# Altium PCB PCB1.PcbDoc (part 1 of 2) (continued)
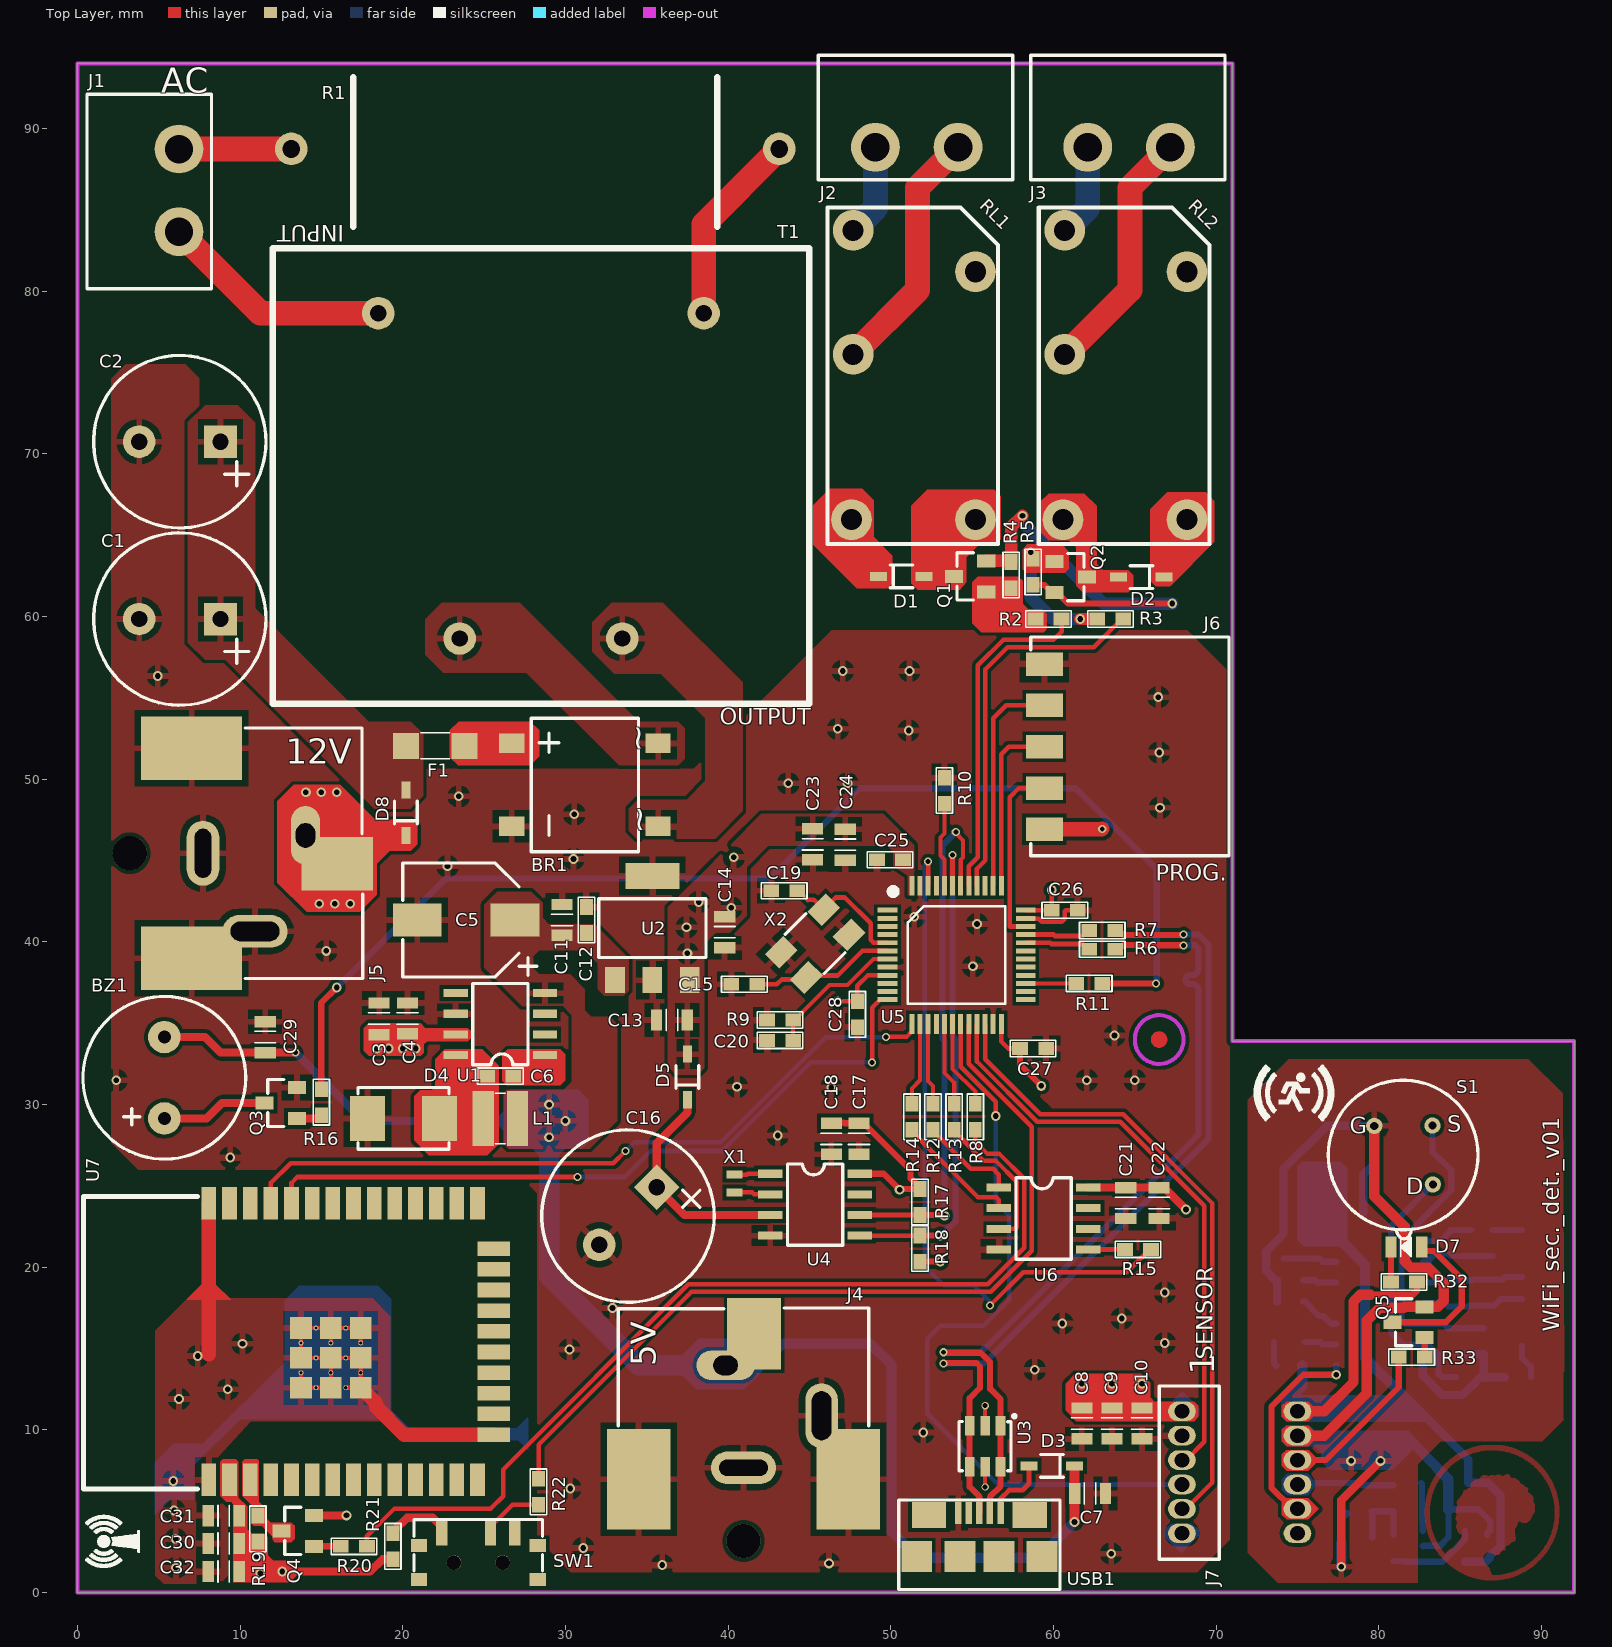
[diagram p0: Top Layer view]
## Components (designator, comment, footprint, x,y, rotation, side; value= is the part's Value field where it differs from the comment)
BR1 "DB105STR" DB105STR 31.2,49.65 r90 top
BZ1 "CMI-96051C-0580T" CMI-9605IC-0580T 5.35,31.65 r180 top
C1 "ESH477M050AH4AA" ESH477M050AH4AA 6.3,59.85 r180 top
C2 "ESH477M050AH4AA" ESH477M050AH4AA 6.3,70.75 r180 top
C3 "CL21B105KBFNNNE" CAP_0805#1 18.55,35.3 r270 top
C4 "CL21B104KBCNNNC" CAP_0805#2 20.3,35.3 r270 top
C5 "EEV686M035A9HAA" CAP_EEVSERIES 23.9,41.35 r180 top
C6 "0603B103K160CT" CAP_0603 26,31.75 r180 top
C7 "CL21A475KAQNNNE" CAP_0805#2 62.25,6.1 r180 top
C8 "CL21A475KAQNNNE" CAP_0805#2 61.75,10.4 r90 top
C9 "CL21A475KAQNNNE" CAP_0805#2 63.6,10.4 r90 top
C10 "CL21B105KBFNNNE" CAP_0805#2 65.45,10.4 r90 top
C11 "CL21B105KBFNNNE" CAP_0805#2 29.8,41.35 r270 top
C12 "C0603C104K4RACTU" CAP_0603 31.3,41.35 r270 top
C13 "CL21A475KAQNNNE" CAP_0805#2 36.55,35.2 r0 top
C14 "CL21B105KBFNNNE" CAP_0805#2 39.8,40.6 r90 top
C15 "CL10C200JB8NNNC" CAP_0603 41,37.4 r180 top
C16 "ESH477M050AH4AA" ESH477M050AH4AA 33.85,23.15 r225 top
C17 "CL21B104KBCNNNC" CAP_0805#2 48.05,27.9 r90 top
C18 "CL21B105KBFNNNE" CAP_0805#2 46.35,27.9 r90 top
C19 "CL10C200JB8NNNC" CAP_0603 43.45,43.15 r180 top
C20 "C0603C104K4RACTU" CAP_0603 43.2,33.95 r180 top
C21 "CL21B105KBFNNNE" CAP_0805#2 64.45,23.95 r90 top
C22 "CL21B104KBCNNNC" CAP_0805#2 66.5,23.95 r90 top
C23 "CL21A475KAQNNNE" CAP_0805#2 45.2,46 r90 top
C24 "CL21B105KBFNNNE" CAP_0805#2 47.2,45.975 r90 top
C25 "C0603C104K4RACTU" CAP_0603 49.95,45.05 r0 top
C26 "C0603C104K4RACTU" CAP_0603 60.7,41.95 r180 top
C27 "C0603C104K4RACTU" CAP_0603 58.75,33.45 r180 top
C28 "C0603C104K4RACTU" CAP_0603 47.95,35.55 r90 top
C29 "CL21B104KBCNNNC" CAP_0805#2 11.55,34.15 r270 top
C30 "CL21A475KAQNNNE" CAP_0805#2 9,3.025 r0 top
C31 "CL21B105KBFNNNE" CAP_0805#2 9,4.725 r0 top
C32 "CL21B104KBCNNNC" CAP_0805#2 9,1.3 r0 top
C33 "C0603C104K4RACTU" CAP_0603 78.192,23.291 r180 bottom
C34 "CL21B105KBFNNNE" CAP_0805#2 78.1,24.8 r180 bottom
C35 "0603B103K160CT" CAP_0603 84.4,21.5 r90 bottom
C36 "C3216X5R1E336M160AC" CAP_1206 88.8,20.85 r90 bottom
C37 "C0603C104K4RACTU" CAP_0603 74.15,21.35 r270 bottom
C38 "0603B103K160CT" CAP_0603 86.45,18.45 r270 bottom
C39 "CL21A475KAQNNNE" CAP_0805#2 78,10.15 r90 bottom
C40 "CL21A475KAQNNNE" CAP_0805#2 79.7,10.15 r90 bottom
C41 "CL21B105KBFNNNE" CAP_0805#2 81.4,10.15 r90 bottom
C42 "C3216X5R1E336M160AC" CAP_1206 88.8,16.6 r90 bottom
C43 "C0603C104K4RACTU" CAP_0603 85.55,13.25 r180 bottom
C44 "C0603C104K4RACTU" CAP_0603 86.45,15.45 r90 bottom
C45 "C0603C104K4RACTU" CAP_0603 86.65,2.75 r270 bottom
C46 "CL21A475KAQNNNE" CAP_0805#2 78.65,3.4 r0 bottom
C47 "CL21B105KBFNNNE" CAP_0805#2 78,5.8 r90 bottom
D1 "1N4148WS" SOD32-F 50.65,62.473 r0 top
D2 "1N4148WS" SOD32-F 65.4,62.427 r180 top
D3 "1N4148WS" SOD32-F 59.9,7.8 r180 top
D4 "1SMB5919BT3G" SMB 20.05,29.15 r0 top
D5 "1N4148WS" SOD32-F 37.5,31.7 r90 top
D6 "LTST-C171GKT" "LED_GREEN 0805" 74.5,15.4 r0 bottom
D7 "LH R974-LP-1" LED_0805 81.7,21.25 r0 top
D8 "1N4148WS" SOD32-F 20.2,47.95 r90 top
F1 "3413.0216.22" 3413.0216.22 22,52.05 r180 top
J1 "TBP01R1-508-02BE" TBP01R1-508 6.25,86.2 r270 top
J2 "TBP01R1-508-02BE" TBP01R1-508 51.6,88.85 r180 top
J3 "TBP01R1-508-02BE" TBP01R1-508 64.65,88.85 r180 top
J4 "PJ-037AH-SMT-TR" JACK 40.95,9.55 r90 top
J5 "PJ-037AH-SMT-TR" JACK 9.6,45.45 r0 top
J6 "SMH-105-02-L-S" SMH-105-02-L-S 59.45,52 r90 top
J7 "64800611622" 64800611622 67.9,7.4 r270 top
J8 "64800611622" 64800611622 75,7.4 r270 bottom
L1 "78438335470" IND_1212 26,29.15 r0 top
Q1 "MMBT3904-7-F" SOT23-F#1 54.75,62.6 r0 top
Q2 "MMBT3904-7-F" SOT23-F#1 61.2,62.3 r180 top
Q3 "MMBT3904-7-F" SOT23-F#2 12.505,30.1 r90 top
Q4 "MMBT3904-7-F" SOT23-F#2 13.55,3.8 r90 top
Q5 "MMBT3904-7-F" SOT23-F#1 81.7,16.75 r0 top
R1 "5WD27" RES_AXIAL_W 28.15,88.75 r0 top
R2 "RES 1K OHM 0603" RES_0603 59.7,59.85 r0 top
R3 "RES 1K OHM 0603" RES_0603 63.5,59.85 r0 top
R4 "RC0603FR-0710KL" RES_0603 57.4,62.55 r270 top
R5 "RC0603FR-0710KL" RES_0603 58.75,62.75 r90 top
R6 "RC0603JR-0715RL" RES_0603 63,39.55 r0 top
R7 "RC0603JR-0715RL" RES_0603 63,40.7 r0 top
R8 "RC0603JR-07100RL" RES_0603 55.2,29.25 r270 top
R9 "RC0603JR-07100RL" RES_0603 43.2,35.2 r0 top
R10 "RC0603JR-07100RL" RES_0603 53.3,49.3 r270 top
R11 "RC0603JR-07100RL" RES_0603 62.2,37.45 r0 top
R12 "RC0603JR-07100RL" RES_0603 52.6,29.25 r90 top
R13 "RC0603JR-07100RL" RES_0603 53.9,29.25 r90 top
R14 "RC0603JR-07100RL" RES_0603 51.3,29.25 r90 top
R15 "RC0603JR-07100RL" RES_0603 65.2,21.1 r0 top
R16 "RC0603JR-07100RL" RES_0603 15,30.15 r270 top
R17 "RC0603JR-074K7L" RES_0603 51.796,24.015 r90 top
R18 "RC0603JR-074K7L" RES_0603 51.8,21.15 r270 top
R19 "RES 1K OHM 0603" RES_0603 11.1,3.925 r90 top
R20 "RC0603JR-07100RL" RES_0603 17,2.85 r180 top
R21 "RC0603JR-07100RL" RES_0603 19.4,2.85 r270 top
R22 "RC0603JR-07100RL" RES_0603 28.35,6.2 r270 top
R23 "RC0603JR-07220KL" RES_0603 75.45,21.35 r90 bottom
R24 "RC0603JR-07560KL" RES_0603 85.7,21.5 r90 bottom
R25 "RC0603FR-0710KL" RES_0603 87,21.5 r270 bottom
R26 "RES 1K OHM 0603" RES_0603 74.5,13.95 r0 bottom
R27 "RC0603JR-07560KL" RES_0603 84.9,18.4 r90 bottom
R28 "RES 0 OHM 0603" RES_0603 74.55,19.2 r180 bottom
R29 "RES 0 OHM 0603" RES_0603 74.55,17.9 r180 bottom
R30 "RC0603JR-0743KL" RES_0603 84.9,15.45 r90 bottom
R31 "RC0603FR-0710KL" RES_0603 88.55,13.25 r180 bottom
R32 "RC0603JR-07100RL" RES_0603 81.55,19.1 r0 top
R33 "RES 1K OHM 0603" RES_0603 82.023,14.477 r0 top
R34 "RC0603JR-07220KL" RES_0603 80.9,5.8 r90 bottom
R35 "RES 1K OHM 0603" RES_0603 80.9,2.75 r90 bottom
R36 "RC0603JR-07220KL" RES_0603 79.55,5.8 r90 bottom
R37 "RC0603FR-0710KL" RES_0603 83.45,5.1 r180 bottom
RL1 "ALQ112" ALQ112 51.4,74.85 r90 top
RL2 "ALQ112" ALQ112 64.4,74.85 r90 top
RT1 "TFPT1206L1002FM" "TFPT 1206" 84.05,6.75 r0 bottom
S1 "LHI 878/ 3902" "LHI 878/ 3902" 81.5,26.9 r0 top
SW1 "EG1215AA" EG1215AA 24.65,1.85 r0 top
T1 "BV302S12010-ZU" BV302S12010-ZU 28.5,68.65 r0 top
U1 "LM2675MX-12/NOPB" "SOIC 8" 26,34.95 r90 top
U2 "AP7361-33E-13" SOT223 35.35,40.85 r0 top
U3 "USBLC6-2SC6" SOT23-6L 55.8,9 r270 top
U4 "M41T00M6F" "SOIC 8" 45.35,23.85 r270 top
U5 "STM32F103C6T6A" LQFP-48 54.05,39.2 r270 top
U6 "MAX6662MSA+" "SOIC 8" 59.4,23 r270 top
U7 "ESP32-WROOM-32E" ESP32-32E 13.345,15.432 r90 top
U8 "NCS36000DRG" "SOIC 14" 80.05,17.8 r180 bottom
U9 "OPA314AIDBVR" SOT23-5 84,2.85 r0 bottom
USB1 "10118192-0001LF" MICRO_B_USB 55.45,3.55 r0 top
X1 "ABS05-32.768KHZ-T" ABS05-32.768KHZ-T 40.4,25.15 r90 top
X2 "CRYSTAL 16.0000MHZ 20PF SMD" ECS-160-20-30B 45.35,39.9 r45 top

## Footprints (in the part's own frame and the unit in brackets; to place one, negate y for a bottom-side part, rotate by r counter-clockwise, add the part's x,y. Pads: shape width x height; smd on the part's side, far side on the other; paste and mask are expansions set on the pad)
3413.0216.22 [mm]
  rect 1.6x1.6 smd mask+0.05: 1(-1.8,-0.002) 2(1.8,0.002)
  silkscreen extent -0.9,-0.8 0.9,0.8, body extent -1.61,-0.8 1.61,0.8, height 0.64
64800611622 [mm]
  oval 1.2x1.7 hole 0.9 mask+0.05: 1(-3.75,0) 2(-2.25,0) 3(-0.75,0) 4(0.75,0) 5(2.25,0) 6(3.75,0)
  silkscreen extent -5.3,-1.4 5.35,2.3, body extent -5.25,-1.3 5.25,2.2, height 4.55
ABS05-32.768KHZ-T [mm]
  rect 0.5x1 smd mask+0.05: 1(-0.55,0) 2(0.55,0)
  body extent -0.8,-0.5 0.8,0.5, height 0.5
ALQ112 [mm]
  round 2.5 hole 1.3 mask+0.05: 1(6.35,-3.81) 2(1.27,3.71) 3(8.89,3.71) 4(-8.89,-3.81) 5(-8.89,3.81)
  silkscreen extent -10.4,-5.2 10.3,5.3, body extent -10,-4.98 10,5.02, height 15.6
BV302S12010-ZU [mm]
  round 2 hole 1 mask+0.05: 1(10,10) 5(-10,10) 7(-5,-10) 9(5,-10)
  silkscreen extent -16.5,-14 16.5,14, body extent -16.25,-13.75 16.25,13.75, height 21.8
CAP_0603 [mil]
  rect 38x31 smd mask+1.97: 1(-31.5,0) 2(31.5,0)
  silkscreen extent -55,-20 55,20, body extent -41,-20 41,21, height 31
CAP_0805#1 [mm]
  rect 0.7x1.3 smd mask+0.05: 1(-0.95,0) 2(1,0)
  silkscreen extent -0.35,-0.65 0.35,0.65, body extent -1.3,-0.68 1.3,0.68, height 0.9
CAP_0805#2 [mm]
  rect 0.7x1.3 smd mask+0.05: 1(-0.95,0) 2(0.95,0)
  silkscreen extent -0.35,-0.65 0.35,0.65, body extent -1.3,-0.68 1.3,0.68, height 0.9
CAP_1206 [mm]
  rect 0.9x1.6 smd mask+0.05: 1(-1.45,0) 2(1.45,0)
  silkscreen extent -0.9,-0.8 0.9,0.8, body extent -1.97,-0.98 1.97,0.98, height 1.3
CAP_EEVSERIES [mm]
  rect 3x2 smd mask+0.05: 1(-3,0) 2(3,0)
  silkscreen extent -4.35,-3.5 3.9,3.5, body extent -3.8,-3.4 3.8,3.4, height 8.01
CMI-9605IC-0580T [mm]
  round 2 hole 0.8 mask+0.05: 1(0,2.5) 2(0,-2.5)
  silkscreen extent -5,-5 5,5, body extent -4.8,-4.8 4.8,6.3, height 5.18
DB105STR [mm]
  rect 1.2x1.55 smd mask+0.05: 1(-2.55,-4.5) 2(2.55,-4.5) 3(2.55,4.5) 4(-2.55,4.5)
  silkscreen extent -4.1,-3.3 4.1,3.3, body extent -4.16,-5.2 4.16,5.2, height 2.66
ECS-160-20-30B [mm]
  rect 1.6x1.25 smd mask+0.05: 1(-1.85,-1.1) 2(1.85,-1.1) 3(1.85,1.1) 4(-1.85,1.1)
  silkscreen extent -0.9,-1.7 0.9,1.7, body extent -2.5,-1.6 2.5,1.6, height 0.85
EG1215AA [mm]
  rect 0.7x1.5 smd mask+0.05: 1(-2.25,1.8) 2(0.75,1.8) 3(2.25,1.8)
  rect 1x0.8 smd mask+0.05: ""(-3.65,-1.05) ""(-3.65,1.05) ""(3.65,-1.05) ""(3.65,1.05)
  round 0.9 hole 0.889 mask+0.05: ""(-1.5,0) ""(1.5,0)
  silkscreen extent -3.95,-0.5 3.95,2.65, body extent -3.85,-2.7 3.85,2.2, height 1.35
ESH477M050AH4AA [mm]
  rect 2x2 hole 1 mask+0.05: 1(-2.5,0)
  round 2 hole 1 mask+0.05: 2(2.5,0)
  silkscreen extent -5.3,-5.3 5.3,5.3, body extent -5.25,-5.25 5.25,5.25, height 22
ESP32-32E [mm]
  rect 2x0.9 smd mask+0.05: 1(-8.5,5.26) 2(-8.5,3.99) 3(-8.5,2.72) 4(-8.5,1.45) 5(-8.5,0.18) 6(-8.5,-1.09) 7(-8.5,-2.36) 8(-8.5,-3.63) 9(-8.5,-4.9) 10(-8.5,-6.17) 11(-8.5,-7.44) 12(-8.5,-8.71) 13(-8.5,-9.98) 14(-8.5,-11.25) 25(8.5,-11.25) 26(8.5,-9.98) 27(8.5,-8.71) 28(8.5,-7.44) 29(8.5,-6.17) 30(8.5,-4.9) 31(8.5,-3.63) 32(8.5,-2.36) 33(8.5,-1.09) 34(8.5,0.18) 35(8.5,1.45) 36(8.5,2.72) 37(8.5,3.99) 38(8.5,5.26)
  rect 0.9x2 smd mask+0.05: 15(-5.715,-12.25) 16(-4.445,-12.25) 17(-3.175,-12.25) 18(-1.905,-12.25) 19(-0.635,-12.25) 20(0.635,-12.25) 21(1.905,-12.25) 22(3.175,-12.25) 23(4.445,-12.25) 24(5.715,-12.25)
  rect 1.33x1.33 smd mask+0.05: 39(-2.835,-2.24) 39(-2.835,-0.405) 39(-2.835,-4.075) 39(-1,-0.405) 39(-1,-4.075) 39(-1,-2.24) 39(0.835,-0.405) 39(0.835,-4.075) 39(0.835,-2.24)
  round 0.3 hole 0.2 mask+0.05: 39(-2.835,-1.322) 39(-2.835,-3.157) 39(-1.917,-2.24) 39(-1.917,-0.405) 39(-1.917,-4.075) 39(-1,-1.322) 39(-1,-3.157) 39(-0.082,-0.405) 39(-0.082,-2.24) 39(-0.082,-4.075) 39(0.835,-1.322) 39(0.835,-3.157)
  silkscreen extent -9.07,5.97 8.93,12.97, body extent -8.97,-12.6 8.93,12.8, height 2.61
IND_1212 [mm]
  rect 1.3x3.4 smd mask+0.05: 1(-1.05,0) 2(1.05,0)
  silkscreen extent -0.3,-1.55 0.3,1.55, body extent -1.5,-1.5 1.5,1.5, height 1.2
JACK [mm]
  oval 1.8x3.6 hole 1.2 slot 1.5 at 90 deg: 1(4.425,1.1)
  rect 4.4x3.3 smd: 1(6.375,-0.65)
  rect 6.2x3.9 smd: 2(-2.575,6.45) 3(-2.575,-6.45)
  oval 2x4 hole 1 slot 3 at 90 deg: 2(-1.875,0)
  oval 4x2 hole 1.2 slot 3 at 0 deg: 3(1.325,-4.8)
  round 2.1 hole 2.1 unplated: ""(-6.375,0)
  silkscreen extent 0.7,-7.7 7.95,7.7, body extent -9.27,-7.6 7.83,7.6, height 11.1
LED_0805 [mm]
  rect 0.7x1.3 smd mask+0.05: 1(-0.95,0) 2(0.95,0)
  silkscreen extent -0.35,-0.6 0.3,0.6, body extent -1.01,-0.63 1.01,0.63, height 1.1
"LED_GREEN 0805" [mm]
  rect 0.7x1.3 smd mask+0.05: 1(-0.95,0) 2(0.95,0)
  silkscreen extent -0.35,-0.6 0.3,0.6, body extent -1.01,-0.7 1.01,0.67, height 1.17
"LHI 878/ 3902" [mm]
  round 1 hole 0.5 mask+0.05: 1(1.824,-1.806) 2(1.798,1.811) 3(-1.776,1.794)
  silkscreen extent -4.6,-5.15 4.6,4.6, body extent -4.6,-5.03 4.6,4.6, height 2.05
LQFP-48 [mm] "7x7mm"
  rect 0.305x1.219 smd mask+0.05: 1(-2.75,-4.25) 1(-2.75,-4.25) 2(-2.25,-4.25) 3(-1.75,-4.25) 4(-1.25,-4.25) 5(-0.75,-4.25) 6(-0.25,-4.25) 7(0.25,-4.25) 8(0.75,-4.25) 9(1.25,-4.25) 10(1.75,-4.25) 11(2.25,-4.25) 12(2.75,-4.25) 25(2.75,4.25) 26(2.25,4.25) 27(1.75,4.25) 28(1.25,4.25) 29(0.75,4.25) 30(0.25,4.25) 31(-0.25,4.25) 32(-0.75,4.25) 33(-1.25,4.25) 34(-1.75,4.25) 35(-2.25,4.25) 36(-2.75,4.25)
  rect 1.219x0.305 smd mask+0.05: 13(4.25,-2.75) 14(4.25,-2.25) 15(4.25,-1.75) 16(4.25,-1.25) 17(4.25,-0.75) 18(4.25,-0.25) 19(4.25,0.25) 20(4.25,0.75) 21(4.25,1.25) 22(4.25,1.75) 23(4.25,2.25) 24(4.25,2.75) 37(-4.25,2.75) 38(-4.25,2.25) 39(-4.25,1.75) 40(-4.25,1.25) 41(-4.25,0.75) 42(-4.25,0.25) 43(-4.25,-0.25) 44(-4.25,-0.75) 45(-4.25,-1.25) 46(-4.25,-1.75) 47(-4.25,-2.25) 48(-4.25,-2.75)
  silkscreen extent -4.1,-4.1 3,3, body extent -4.46,-4.46 4.54,4.54, height 1.5
MICRO_B_USB [mm]
  rect 0.4x1.35 smd mask+0.05: 1(1.3,1.338) 2(0.65,1.338) 3(0,1.338) 4(-0.65,1.338) 5(-1.3,1.338)
  rect 1.9x1.9 smd mask+0.05: ""(-3.85,-1.338) ""(-1.2,-1.338) ""(1.2,-1.338) ""(3.85,-1.338)
  rect 2.1x1.6 smd mask+0.05: ""(-3.1,1.212) ""(3.1,1.212)
  silkscreen extent -4.95,-3.35 4.95,2.15, body extent -3.96,-4.06 3.96,1.6, height 2.75
RES_0603 [mil]
  rect 38x31 smd mask+1.97: 1(-31.5,0) 2(31.5,0)
  silkscreen extent -55,-20 55,20, body extent -39,-19 38,19, height 18
RES_AXIAL_W [mm]
  round 2 hole 1.1 mask+0.05: 1(-15,0) 2(15,0)
  silkscreen extent -11.2,-4.8 11.2,4.4, body extent -15.36,-5 15.5,4.65, height 9.65
SMB [mm]
  rect 2.159x2.743 smd mask+0.05: 1(-2.21,0) 2(2.21,0)
  silkscreen extent -2.8,-1.9 2.8,1.9, body extent -2.72,-1.78 2.72,1.78, height 2.44
SMH-105-02-L-S [mm]
  rect 1.45x2.25 smd mask+0.05: 1(-5.08,0) 2(-2.54,0) 3(0,0) 4(2.54,0) 5(5.08,0)
  silkscreen extent -6.7,-11.35 6.75,0.85, body extent -6.58,-11.21 6.62,0.73, height 2.41
SOD32-F [mm]
  rect 1.05x0.55 smd mask+0.05: 1(-1.4,0) 2(1.4,0)
  silkscreen extent -0.7,-0.7 0.7,0.7, body extent -1.25,-0.67 1.25,0.68, height 1
"SOIC 8" [mm]
  rect 0.5x1.5 smd mask+0.05: 1(-1.905,-2.75) 2(-0.635,-2.75) 3(0.635,-2.75) 4(1.905,-2.75) 5(1.905,2.75) 6(0.635,2.75) 7(-0.635,2.75) 8(-1.905,2.75)
  silkscreen extent -2.5,-1.7 2.5,1.7, body extent -2.45,-3 2.45,3, height 1.75
"SOIC 14" [mm]
  rect 1.18x0.58 smd mask+0.05: 1(-2.66,3.81) 2(-2.66,2.54) 3(-2.66,1.27) 4(-2.66,0) 5(-2.66,-1.27) 6(-2.66,-2.54) 7(-2.66,-3.81) 7(-2.66,-3.81) 8(2.66,-3.81) 8(2.66,-3.81) 9(2.66,-2.54) 10(2.66,-1.27) 11(2.66,0) 12(2.66,1.27) 13(2.66,2.54) 14(2.66,3.81)
  silkscreen extent -1.9,-4.45 1.9,4.5, body extent -3,-4.34 3,4.34, height 1.73
SOT23-5 [mm]
  rect 1.1x0.6 smd mask+0.05: 1(-1.3,0.95) 2(-1.3,0) 3(-1.3,-0.95) 4(1.3,-0.95) 5(1.3,0.95)
  silkscreen extent -0.6,-1.4 0.6,1.4, body extent -1.4,-1.45 1.4,1.45, height 1.45
SOT23-6L [mm]
  rect 1.21x0.59 smd mask+0.05: 1(-1.255,0.95) 2(-1.255,0) 3(-1.255,-0.95) 4(1.255,-0.95) 5(1.255,0) 6(1.255,0.95)
  silkscreen extent -1.9,-1.6 1.5,1.85, body extent -1.4,-1.46 1.4,1.46, height 1.45
SOT23-F#1 [mm]
  rect 1.11x0.8 smd mask+0.05: 1(1.122,-1.077) 2(1.122,0.823) 3(-0.868,-0.127)
  silkscreen extent -0.67,-1.58 0.33,1.32, body extent -1.29,-1.63 1.54,1.37, height 1.2
SOT23-F#2 [mm]
  rect 0.8x1.11 smd mask+0.05: 1(-0.95,-0.995) 2(0.95,-0.995) 3(0,0.995)
  silkscreen extent -1.45,-0.2 1.45,0.8, body extent -1.5,-1.42 1.5,1.42, height 1.2
SOT223 [mm]
  rect 1.2x1.6 smd mask+0.05: 1(-2.3,-3.2) 2(0,-3.2) 3(2.3,-3.2)
  rect 3.3x1.6 smd mask+0.05: 2(0,3.2)
  silkscreen extent -3.3,-1.8 3.3,1.8, body extent -3.25,-3.48 3.25,3.48, height 1.65
TBP01R1-508 [mm]
  round 3 hole 1.75 mask+0.05: 1(-2.54,0) 2(2.54,0)
  silkscreen extent -5.9,-5.65 6.05,2, body extent -5.84,-10.1 5.92,1.9, height 8.55
"TFPT 1206" [mm]
  rect 0.9x1.6 smd mask+0.05: 1(-1.45,0) 2(1.45,0)
  silkscreen extent -0.9,-0.8 0.9,0.8, body extent -1.6,-0.8 1.6,0.8, height 0.55

## Part data
BR1: "Bridge Rect 1PHASE 600V 1A Db-s", Manufacturer="Sangdest Microelectronics", Max Current=1A, Operating Voltage=600V, Supplier Part Number 1=1655-1821-1-ND, Designed by="Onur Karaduman", Manufacturer Part Number=DB105STR, RoHS=No, Supplier 1=Digi-Key
BZ1: "Audio Buzzer Magnetic 3VDC 7VDC 30mA 5VDC 85dB 2600Hz to 2800Hz Through Hole Pin Box", Case/Package=CMI-9605IC, Manufacturer="CUI Devices", Manufacturer Part Number=CMI-9605IC-0580T, Supplier Part Number 1=2223-CMI-9605IC-0580T-ND, Category="Audio Products", Designed by="Onur Karaduman", Pricing 1="1=1.43000, 10=1.19000, 25=1.10160, 50=1.03700, 100=0.97450, 500=0.83848, 1000=0.78382, 5000=0.76810 (USD)", RoHS=No, Stock 1=1050, Supplier 1=Digi-Key
C1 C2 C16: "Cap, 470UF, 50V, Alu Elec, Radial", Capacitance=470uF, Case/Package=Radial, Manufacturer=KEMET, Max Operating Temperature=105°C, Min Operating Temperature=-40°C, Supplier Part Number 1=399-15683-ND, Tolerance=20%, Voltage Rating=50V, ComponentLink1Description=https://api.kemet.com/component-edge/download/datasheet/ESH477M050AH4AA.pdf?src-supplier=Digi-Key, ComponentLink1URL=https://api.kemet.com/component-edge/download/datasheet/ESH477M050AH4AA.pdf?src-supplier=Digi-Key, Designed by="Onur Karaduman", Life (Hours)=2000Hour, Manufacturer Part Number=ESH477M050AH4AA, Mount="Through Hole", Packaging=Bulk, Polarity=Polar, RoHS=Yes, RoHS Compliant=No, Supplier 1=Digi-Key
C3 C10 C11 C14 C18 C21 C24 C31 C34 C41 C47: library part "CAP CER 1uF 0805", "CAP CER 1UF 50V X7R 0805", Capacitance=1uF, Case Code (Imperial)=0805, Case Code (Metric)=2012, Dielectric=X7R, Manufacturer=Samsung, Max Operating Temperature=125°C, Min Operating Temperature=-55°C, Package Quantity=1, Supplier Part Number 1=1276-1029-1-ND, Tolerance=10%, Voltage=50V, Case/Package=0805, Category="Ceramic Capacitors", ComponentLink1Description=https://datasheet.ciiva.com/25800/cl21b105kbfnnne-25800291.pdf?src-supplier=Digi-Key, ComponentLink1URL=https://datasheet.ciiva.com/25800/cl21b105kbfnnne-25800291.pdf?src-supplier=Digi-Key, ComponentLink2Description=https://datasheet.ciiva.com/16449/cl21b105kbfnnne-16449003.pdf?src-supplier=Future+Electronics, ComponentLink2URL=https://datasheet.ciiva.com/16449/cl21b105kbfnnne-16449003.pdf?src-supplier=Future+Electronics, ComponentLink3Description=https://datasheet.ciiva.com/26838/getdatasheetpartid-354075-26838668.pdf?src-supplier=Verical, ComponentLink3URL=https://datasheet.ciiva.com/26838/getdatasheetpartid-354075-26838668.pdf?src-supplier=Verical, Construction=Flat, Depth=1.25mm, Designed by="Onur Karaduman", Height=1.25mm, Length=2mm, Manufacturer Part Number=CL21B105KBFNNNE, Mount="Surface Mount", Packaging="Tape and Reel", Pricing 1="1=0.12000, 10=0.08200, 50=0.04680, 100=0.03880, 500=0.02718, 1000=0.02251 (USD)", Radiation Hardening=No, RoHS=Yes, RoHS Compliant=Yes, Series=CL, Stock 1=110151, Supplier 1=Digi-Key, Thickness=0.053inch, Voltage Rating=50V, Width=0.049inch
C4 C17 C22 C29 C32: library part "CAP CER 100nF 0805", "CAP CER 0.1UF 50V X7R 0805", Capacitance=100nF, Case Code (Imperial)=0805, Case Code (Metric)=2012, Dielectric=X7R, Manufacturer=Samsung, Max Operating Temperature=125°C, Min Operating Temperature=-55°C, Supplier Part Number 1=1276-1003-1-ND, Tolerance=10%, Voltage=50V, Case/Package=0805, Category="Ceramic Capacitors", ComponentLink1Description=https://datasheet.ciiva.com/25710/cl21b104kbcnnnc-25710182.pdf?src-supplier=Digi-Key, ComponentLink1URL=https://datasheet.ciiva.com/25710/cl21b104kbcnnnc-25710182.pdf?src-supplier=Digi-Key, ComponentLink2Description=https://datasheet.ciiva.com/29199/454152-da-01-en-vs-kondensator-0805-29199814.pdf?src-supplier=Conrad, ComponentLink2URL=https://datasheet.ciiva.com/29199/454152-da-01-en-vs-kondensator-0805-29199814.pdf?src-supplier=Conrad, Construction=Flat, Contact Plating=Tin, Depth=1.25mm, Designed by="Onur Karaduman", Height=0.85mm, Lead Free="Lead Free", Length=2mm, Manufacturer Part Number=CL21B104KBCNNNC, Material=Ceramic, Mount="Surface Mount", Packaging="Tape and Reel", Pricing 1="1=0.10000, 10=0.04600, 50=0.02500, 100=0.02040, 500=0.01458, 1000=0.01146 (USD)", Radiation Hardening=No, RoHS=Yes, RoHS Compliant=Yes, Series=CL, Stock 1=5275188, Supplier 1=Digi-Key, Thickness=0.037inch, Voltage Rating=50V, Voltage Rating (DC)=50V, Width=0.049inch
C5: "Cap Aluminum Lytic 68uF 35V 20% (6.3 X 7.7mm) SMD 280mA 2000h 105C T/R", Capacitance=68uF, Case/Package=Radial, Manufacturer=KEMET, Max Operating Temperature=105°C, Min Operating Temperature=-40°C, Package Quantity=1, Ripple Current=196mA, Supplier Part Number 1=399-6722-1-ND, Tolerance=20%, Voltage Rating=35V, Category="Aluminum Electrolytic Capacitors", ComponentLink1Description=https://datasheet.ciiva.com/5365/kem-a4002-eev-535332-5365784.pdf?src-supplier=Mouser, ComponentLink1URL=https://datasheet.ciiva.com/5365/kem-a4002-eev-535332-5365784.pdf?src-supplier=Mouser, Designed by="Onur Karaduman", Height - Seated (Max)=0.315inch, Impedance=340mR, Length=7.7mm, Life (Hours)=2000Hour, Manufacturer Part Number=EEV686M035A9HAA, Mount="Surface Mount", Packaging="Tape and Reel", Pricing 1="1=0.67000, 10=0.47200, 50=0.35680, 100=0.31080, 500=0.23024 (USD)", RoHS=Yes, RoHS Compliant=Yes, Series=EEV, Stock 1=9958, Supplier 1=Digi-Key, Termination=SMD/SMT, Voltage Rating (DC)=35V
C6 C35 C38: library part "CAP CER 10nF 0603", "Multilayer Ceramic Capacitor, 0.01 F, 10%, X7R, 16 V, 0603 [1608 Metric] RoHS Compliant: Yes", Capacitance=10nF, Case Code (Imperial)=0603, Case Code (Metric)=1608, Dielectric=X7R, Manufacturer="Walsin Technologies", Max Operating Temperature=125°C, Min Operating Temperature=-55°C, Supplier Part Number 1=1292-1384-1-ND, Tolerance=10%, Voltage Rating=16V, Case/Package=0603, Category="Ceramic Capacitors", ComponentLink1Description=http://www.farnell.com/datasheets/1958513.pdf?src-supplier=Farnell, ComponentLink1URL=http://www.farnell.com/datasheets/1958513.pdf?src-supplier=Farnell, ComponentLink2Description=http://www.farnell.com/datasheets/1958513.pdf?src-supplier=Element14, ComponentLink2URL=http://www.farnell.com/datasheets/1958513.pdf?src-supplier=Element14, ComponentLink3Description=http://www.passivecomponent.com/wp-content/uploads/2018/10/MLCC.pdf?src-supplier=Digi-Key, ComponentLink3URL=http://www.passivecomponent.com/wp-content/uploads/2018/10/MLCC.pdf?src-supplier=Digi-Key, Depth=0.8mm, Designed by="Onur Karaduman", Length=1.6mm, Manufacturer Part Number=0603B103K160CT, Packaging="Tape and Reel", Pricing 1="1=0.10000, 10=0.03500, 50=0.01880, 100=0.01540, 500=0.01102, 1000=0.00866 (USD)", REACH SVHC=Unknown, RoHS=Yes, RoHS Compliant=Yes, Stock 1=118970, Supplier 1=Digi-Key, Voltage Rating (DC)=16V
C7 C8 C9 C13 C23 C30 C39 C40 C46: library part "CAP CER 4.7uF 0805", "CAP CER 4.7UF 25V X5R 0805", Capacitance=4.7uF, Case Code (Imperial)=0805, Case Code (Metric)=2012, Dielectric=X5R, Manufacturer=Samsung, Max Operating Temperature=85°C, Min Operating Temperature=-55°C, Package Quantity=1, Supplier Part Number 1=1276-1244-1-ND, Tolerance=10%, Voltage Rating=25V, Case/Package=0805, Category="Ceramic Capacitors", ComponentLink1Description=https://datasheet.ciiva.com/25798/cl21a475kaqnnne-25798882.pdf?src-supplier=Digi-Key, ComponentLink1URL=https://datasheet.ciiva.com/25798/cl21a475kaqnnne-25798882.pdf?src-supplier=Digi-Key, Construction=Flat, Depth=1.25mm, Designed by="Onur Karaduman", Height=1.25mm, Lead Free="Lead Free", Length=2mm, Manufacturer Part Number=CL21A475KAQNNNE, Mount="Surface Mount", Packaging="Tape and Reel", Pricing 1="1=0.11000, 10=0.07600, 50=0.04320, 100=0.03570, 500=0.02504, 1000=0.02073 (USD)", Radiation Hardening=No, RoHS=Yes, RoHS Compliant=Yes, Series=CL, Stock 1=5155770, Supplier 1=Digi-Key, Thickness=0.055inch, Voltage Rating (DC)=25V, Width=0.049inch
C12 C20 C25 C26 C27 C28 C33 C37 C43 C44 C45: library part "CAP CER 100nF 0603", "Cap Cer 0.1uF 16V X7R 10% SMD 0603 125°C Paper T/R", Capacitance=100nF, Case Code (Imperial)=0603, Case Code (Metric)=1608, Dielectric=X7R, Dielectric Material=Ceramic, Manufacturer=KEMET, Max Operating Temperature=125°C, Min Operating Temperature=-55°C, Package Quantity=4000, Supplier Part Number 1=399-C0603C104K4RAC7867CT-ND, Tolerance=10%, Voltage=16V, Case/Package=0603, Category="Ceramic Capacitors", ComponentLink1Description=https://datasheet.ciiva.com/22749/kem-c1002-x7r-smd-22749657.pdf?src-supplier=Element14, ComponentLink1URL=https://datasheet.ciiva.com/22749/kem-c1002-x7r-smd-22749657.pdf?src-supplier=Element14, ComponentLink2Description=https://datasheet.ciiva.com/14589/70095383-14589014.pdf?src-supplier=Allied+Electronics, ComponentLink2URL=https://datasheet.ciiva.com/14589/70095383-14589014.pdf?src-supplier=Allied+Electronics, ComponentLink3Description=https://datasheet.ciiva.com/5413/kem-c1002-x7r-smd-5413791.pdf?src-supplier=Mouser, ComponentLink3URL=https://datasheet.ciiva.com/5413/kem-c1002-x7r-smd-5413791.pdf?src-supplier=Mouser, ComponentLink4Description=https://datasheet.ciiva.com/18192/getdatasheetpartid-330584-18192695.pdf?src-supplier=Verical, ComponentLink4URL=https://datasheet.ciiva.com/18192/getdatasheetpartid-330584-18192695.pdf?src-supplier=Verical, Construction=Flat, Contact Plating=Tin,Matte, Depth=0.8mm, Designed by="Onur Karaduman", Dissipation Factor=3.5%, Height=0.8mm, Lead Pitch=0.7mm, Length=1.6mm, Manufacturer Part Number=C0603C104K4RACTU, Mount="PCB,Surface Mount", Number of Pins=2, Packaging="Tape and Reel", Pricing 1="1=0.11000, 10=0.07900, 50=0.04280, 100=0.03500, 500=0.02502, 1000=0.01966 (USD)", Radiation Hardening=No, REACH SVHC="No SVHC", RoHS=Yes, Series=C0603C, Stock 1=4433454, Supplier 1=Digi-Key, Termination=SMD/SMT, Thickness=0.034inch, Voltage Rating=16V, Voltage Rating (DC)=16V, Weight=7.1E-05oz, Width=0.8mm
C15 C19: library part "CAP CER 20pF 0603", "CAP CER 20pF %5 0603 SMD", Capacitance=20pF, Case Code (Imperial)=0603, Case Code (Metric)=1608, Dielectric=C0G, Manufacturer=Samsung, Max Operating Temperature=125°C, Min Operating Temperature=-55°C, Package Quantity=1, Supplier Part Number 1=1276-1187-1-ND, Temperature Coefficient=300ppm/°C, Tolerance=5%, Voltage=50V, Case/Package=0603, Category="Ceramic Capacitors", ComponentLink1Description=https://datasheet.ciiva.com/26877/getdatasheetpartid-640634-26877974.pdf?src-supplier=Verical, ComponentLink1URL=https://datasheet.ciiva.com/26877/getdatasheetpartid-640634-26877974.pdf?src-supplier=Verical, ComponentLink2Description=https://datasheet.ciiva.com/26310/mlcc-catalogdownload2013-eng-26310315.pdf?src-supplier=Distrelec, ComponentLink2URL=https://datasheet.ciiva.com/26310/mlcc-catalogdownload2013-eng-26310315.pdf?src-supplier=Distrelec, Construction=Flat, Depth=0.8mm, Designed by=BERK, Height=0.8mm, Length=1.6mm, Manufacturer Part Number=CL10C200JB8NNNC, Mount="Surface Mount", Packaging="Tape and Reel", Pricing 1="1=0,10000, 10=0,04700, 50=0,02560, 100=0,02090, 500=0,01490, 1000=0,01171 (USD)", Radiation Hardening=No, RoHS=Yes, RoHS Compliant=Yes, Series=CL, Stock 1=765558, Supplier 1=Digi-Key, Thickness=0.035inch, Voltage Rating=50V, Width=0.031inch
C36 C42: library part "CAP CER 33uF 1206", "C Series 1206 33 uF 25 V ±20 % Tolerance X5R SMT Multilayer Ceramic Capacitor", Capacitance=33uF, Case Code (Imperial)=1206, Case Code (Metric)=3216, Dielectric=X5R, Dielectric Material=Ceramic, Manufacturer=TDK, Max Operating Temperature=85°C, Min Operating Temperature=-55°C, Package Quantity=1, Supplier Part Number 1=445-8046-1-ND, Tolerance=20%, Voltage Rating=25V, Case/Package=1206, Category="Ceramic Capacitors", ComponentLink1Description=https://datasheet.ciiva.com/24216/c3216x5r1e336m160ac-265051-24216512.pdf?src-supplier=Mouser, ComponentLink1URL=https://datasheet.ciiva.com/24216/c3216x5r1e336m160ac-265051-24216512.pdf?src-supplier=Mouser, ComponentLink2Description=https://datasheet.ciiva.com/6285/tdkmlcccaprange-6285278.pdf?src-supplier=Digi-Key, ComponentLink2URL=https://datasheet.ciiva.com/6285/tdkmlcccaprange-6285278.pdf?src-supplier=Digi-Key, Depth=1.6mm, Designed by="Onur Karaduman", Lead Free="Lead Free", Length=3.2mm, Manufacturer Part Number=C3216X5R1E336M160AC, Mount="Surface Mount", Packaging="Tape and Reel", REACH SVHC="No SVHC", Resistor Type=Ceramic, RoHS=Yes, RoHS Compliant=Yes, Series=C, Supplier 1=Digi-Key, Termination=SMD/SMT, Thickness=1.6mm, Voltage Rating (DC)=25V, Weight=0.000571oz, Width=0.063inch
D1 D2 D3 D5 D8: "VR=75V IF=150mA Trr=4ns P=200mW", Average Rectified Current=150mA, Forward Voltage=1V, Manufacturer="ON Semiconductor / Fairchild", Max Forward Surge Current (Ifsm)=2A, Max Operating Temperature=150°C, Max Repetitive Reverse Voltage (Vrrm)=75V, Max Reverse Current=5uA, Min Operating Temperature=-55°C, Package Quantity=1, Power Dissipation=200mW, Supplier Part Number 1=1N4148WSFSCT-ND, Category="Rectifier Diodes", ComponentLink1Description=https://datasheet.ciiva.com/30479/0900766b810e1cd3-30479206.pdf?src-supplier=RSComponents, ComponentLink1URL=https://datasheet.ciiva.com/30479/0900766b810e1cd3-30479206.pdf?src-supplier=RSComponents, ComponentLink2Description=https://datasheet.ciiva.com/15208/getdatasheetpartid-127819-15208358.pdf?src-supplier=Verical, ComponentLink2URL=https://datasheet.ciiva.com/15208/getdatasheetpartid-127819-15208358.pdf?src-supplier=Verical, ComponentLink3Description=https://datasheet.ciiva.com/8300/1n914bws-8300360.pdf?src-supplier=Avnet, ComponentLink3URL=https://datasheet.ciiva.com/8300/1n914bws-8300360.pdf?src-supplier=Avnet, ComponentLink4Description=https://datasheet.ciiva.com/910/1n4148ws-910381.pdf?src-supplier=Digi-Key, ComponentLink4URL=https://datasheet.ciiva.com/910/1n4148ws-910381.pdf?src-supplier=Digi-Key, ComponentLink5Description=https://datasheet.ciiva.com/910/1n4148ws-910382.pdf?src-supplier=Digi-Key, ComponentLink5URL=https://datasheet.ciiva.com/910/1n4148ws-910382.pdf?src-supplier=Digi-Key, ComponentLink6Description=https://datasheet.ciiva.com/910/1n4148ws-910380.pdf?src-supplier=Digi-Key, ComponentLink6URL=https://datasheet.ciiva.com/910/1n4148ws-910380.pdf?src-supplier=Digi-Key, Contact Plating=Tin,Matte, Designed by="Onur Karaduman", Element Configuration=Single, Forward Current=150mA, Height=1mm, Lead Free="Lead Free", Length=1.8mm, Manufacturer Part Number=1N4148WS, Max Reverse Voltage (DC)=75V, Mount="Surface Mount", Number of Pins=2, Packaging="Tape and Reel", Pricing 1="1=0.21000, 10=0.19200, 100=0.10460, 500=0.06436, 1000=0.04388 (USD)", Radiation Hardening=No, REACH SVHC="No SVHC", Recovery Time=4ns, Reverse Recovery Time=4ns, Reverse Voltage=75V, RoHS=Yes, RoHS Compliant=Yes, Series=-, Stock 1=1968019, Supplier 1=Digi-Key, Weight=0.0276g, Width=1.35mm